# KiCad board 75%.kicad_pcb (continued)
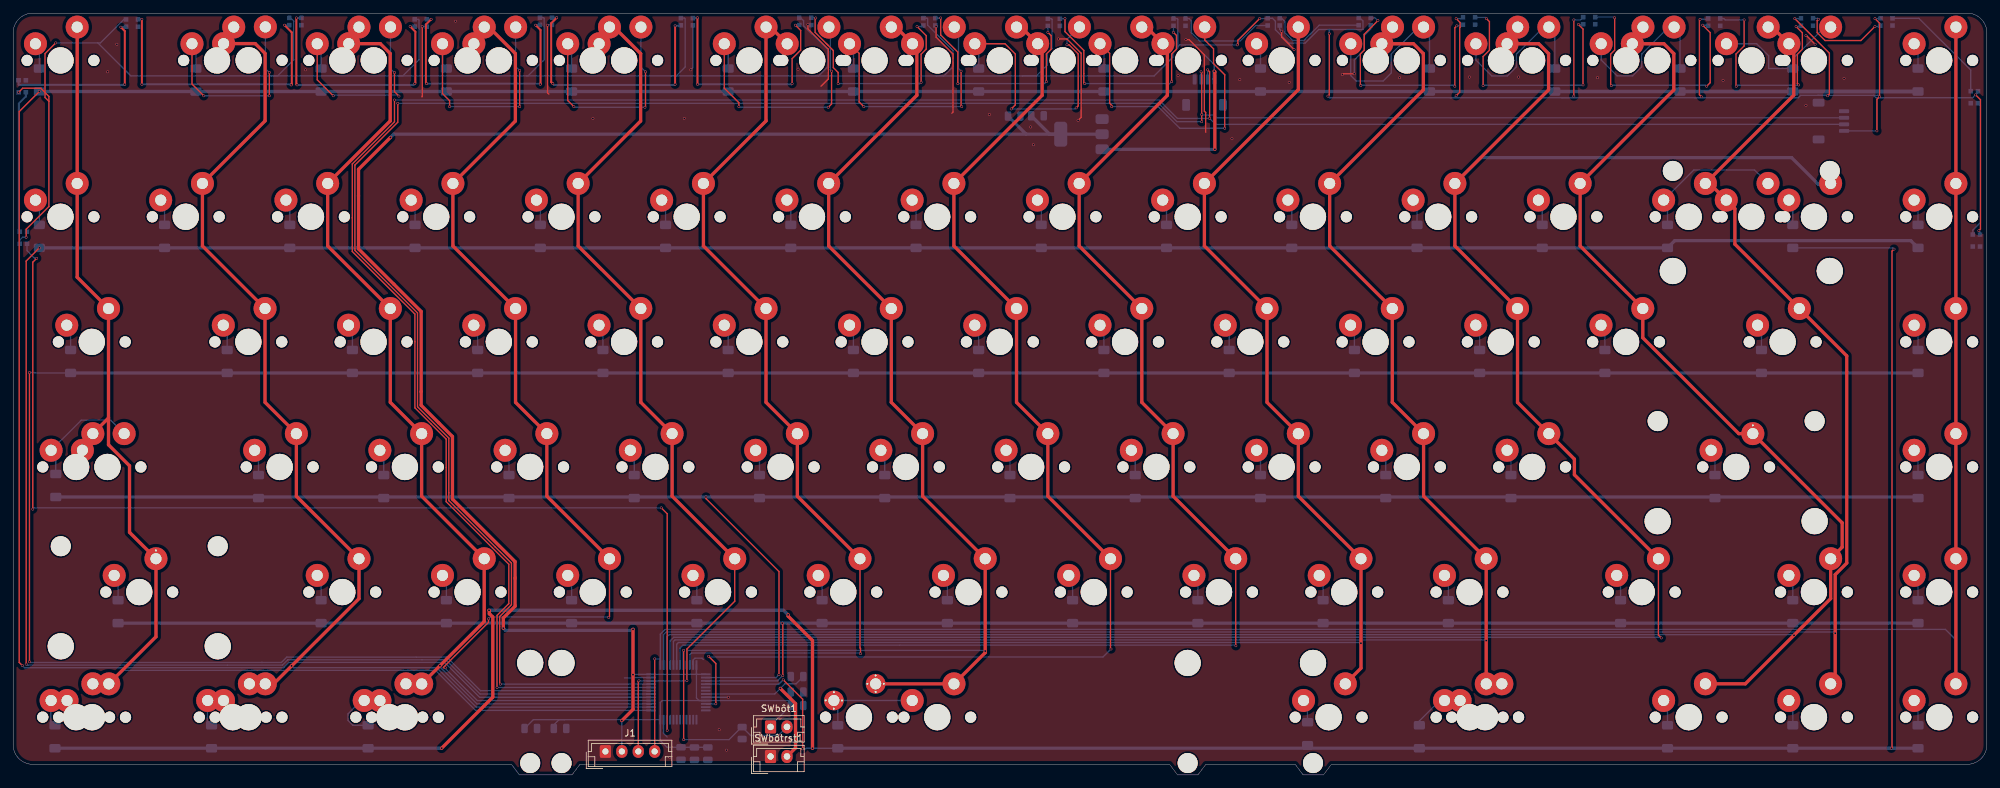
[diagram p0: board, top side]
## Nets (continued)
Net-(D68-A): D68.2 SW68.1
Net-(D69-A): D69.2 SW69.1
Net-(D70-A): D70.2 SW70.1
Net-(D71-A): D71.2 SW71.1
Net-(D72-A): D72.2 SW72.1
Net-(D73-A): D73.2 SW73.1
Net-(D75-A): D75.2 SW75.1
Net-(D76-A): D76.2 SW76.1 SW96.1
Net-(D77-A): D77.2 SW77.1 SW97.1
Net-(D78-A): D78.2 SW78.1 SW98.1
Net-(D82-A): D82.2 SW82.1 SW99.1
Net-(D85-A): D85.2 SW85.1
Net-(D86-A): D86.2 SW86.1 SW101.1
Net-(D87-A): D87.2 SW87.1
Net-(D88-A): D88.2 SW88.1
Net-(D89-A): D89.2 SW89.1
Net-(D90-A): D90.2 SW90.1
Net-(Drgb1-DIN): Drgb1.3 rgb6.1
Net-(Drgb1-DOUT): Drgb1.1 Drgb2.3
Net-(Drgb2-DOUT): Drgb2.1 Drgb3.3
Net-(Drgb3-DOUT): Drgb3.1 Drgb4.3
Net-(Drgb4-DOUT): Drgb4.1 Drgb5.3
Net-(Drgb5-DOUT): Drgb5.1 Drgb6.3
Net-(Drgb6-DOUT): Drgb6.1 Drgb7.3
Net-(Drgb7-DOUT): Drgb7.1 Drgb8.3
Net-(Drgb8-DOUT): Drgb8.1 Drgb9.3
Net-(Drgb10-DIN): Drgb9.1 Drgb10.3
Net-(Drgb10-DOUT): Drgb10.1 Drgb11.3
Net-(Drgb11-DOUT): Drgb11.1 Drgb12.3
Net-(Drgb12-DOUT): Drgb12.1 Drgb13.3
Net-(Drgb13-DOUT): Drgb13.1 Drgb14.3
Net-(rgb1-DOUT): rgb1.1 rgb2.3
Net-(rgb2-DOUT): rgb2.1 rgb3.3
Net-(rgb3-DOUT): rgb3.1 rgb4.3
Net-(rgb4-DOUT): rgb4.1 rgb5.3
Net-(rgb5-DOUT): rgb5.1 rgb6.3

Pads without a net: Drgb14 1; J5 MP; J7 MP; U3 5 6 11 12 13 14 15 16 17 18 19 20 21

## Via types
v1: diameter 0.4, hole 0.3, Top to Bottom, 194 vias

## Routing (per net, layer and track width the routed paths; a pad name or vN(x,y) marks a point on that pad's centre or on a via; arc(x,y) is an arc through that point)
+3.3V: length 327.6
  Top w0.5: v1(74.55,22.34) 74.55,23.89 76.34,25.68 76.34,32.47 66.82,42 66.82,51.52 62.05,56.28 62.05,70.57 52.53,80.1 52.53,92.22 v1(57.38,97.07) ; v1(94.28,22.17) v1(94.28,15.27) 94.28,9.97 v1(92.58,8.27)
  Bottom w0.2: J1.2 v1(92.58,8.27) 92.58,8.4 ; 103.98,15.32 U3.36 94.33,15.32 v1(94.28,15.27) ; 103.98,15.32 103.93,15.37 U3.48 103.93,11.72 104.33,11.32 U3.9 ; 103.98,15.32 U3.1 ; U3.24 98.43,11.02 98.73,11.32 U3.9 ; U3.24 98.43,5.22 99.44,4.2 C8.2 105.64,4.2 C6.2 ; U3.24 92.58,8.4 ; 118.28,11.37 118.23,11.32 U3.9 ; 118.28,11.37 C3.2 115.2,7.49 SWbôt1.1 ; 118.28,11.37 C2.2 ; 83.88,8.4 83.02,8.4 82.23,7.62 C5.2 ; 83.88,8.4 92.58,8.4 ; 83.88,8.4 79.12,8.4 C10.2
  Bottom w0.5: U7.2 154.08,97.57 ; U7.2 U7.2 ; U7.2 157.65,97.57 C4.2 ; 154.08,97.57 C9.2 ; 154.08,97.57 57.88,97.57 v1(57.38,97.07) ; v1(74.55,22.34) 74.89,22 94.12,22 v1(94.28,22.17)
+5V: length 594.5
  Top w0.2: v1(275.98,103.42) 276.25,103.69 276.25,109.9 v1(270.98,115.17) ; v1(237.38,103.37) v1(237.38,114.97) ; 5.44,102.57 5.44,103.31 4.19,104.57 1.45,104.57 v1(0.83,103.95) ; 5.44,102.57 5.44,86.55 1.98,83.09 v1(1.98,81.87) ; 5.44,102.57 4.85,103.16 4.85,109.84 v1(6.48,111.47) ; v1(283.18,115.17) 283.88,114.47 v1(283.88,103.27) 283.48,102.87 v1(283.48,98.07) ; v1(298.98,82.87) 299.23,83.12 299.23,102.82 v1(298.49,103.56) ; v1(219.48,103.42) 220.02,103.96 220.02,113.8 220.08,113.86 220.08,114.57 v1(219.48,115.17) ; v1(200.18,112.87) 200.18,103.57 v1(199.98,103.37) ; v1(186.18,111.17) 186.28,111.27 186.28,111.87 v1(189.58,115.17) ; v1(256.58,115.07) 256.48,114.97 256.48,103.57 v1(256.78,103.27)
  Top w0.5: v1(182.68,107.17) 182.78,107.07 v1(182.78,95.27)
  Bottom w0.2: 177.14,110.87 177.14,115.07 177.04,115.17 Drgb5.4 ; 177.14,110.87 177.43,111.16 179.48,111.16 ; 177.14,110.87 177.14,110.7 176.38,109.94 176.38,109.28 173.54,106.44 153.48,106.44 ; v1(256.58,115.07) 257.71,115.07 Drgb10.4 ; 121.48,106.44 140.38,106.44 ; 121.48,106.44 122.51,106.44 123.89,107.82 123.89,110.4 120.22,114.07 120.22,114.84 119.77,115.29 Drgb2.4 ; 121.48,106.44 120.57,106.44 120.56,106.45 100.08,106.45 ; 140.38,106.44 153.48,106.44 ; 140.38,106.44 141.56,106.44 142.95,107.83 142.95,110.31 139.09,114.17 139.09,115.13 138.99,115.23 Drgb3.4 ; 153.48,106.44 155.65,106.44 157.29,108.08 157.29,109.88 158.02,110.61 158.02,115.05 157.92,115.15 Drgb4.4 ; 39.28,106.45 40.23,106.45 42.66,108.89 42.66,114.82 42.21,115.27 rgb4.4 ; 39.28,106.45 58.58,106.45 ; 39.28,106.45 17.9,106.45 12.88,111.47 ; v1(199.98,103.37) 200.23,103.12 218.58,103.12 ; J7.1 v1(283.48,98.07) ; 12.88,111.47 13.27,111.47 16.85,115.04 rgb3.4 ; 12.88,111.47 v1(6.48,111.47) ; v1(219.48,103.42) 219.18,103.12 218.58,103.12 ; 58.58,106.45 59.27,106.45 61.73,108.91 61.73,114.95 61.63,115.05 rgb5.4 ; 58.58,106.45 78.08,106.45 ; Drgb13.4 298.85,103.92 v1(298.49,103.56) 298.05,103.12 283.35,103.12 282.98,103.48 ; v1(1.98,81.87) 1.43,81.87 1.01,81.45 rgb1.4 ; 274.48,103.48 275.92,103.48 v1(275.98,103.42) ; 274.48,103.48 271.88,103.48 271.52,103.12 255.78,103.12 ; 274.48,103.48 282.98,103.48 ; 200.18,113.51 198.57,113.51 196.49,111.43 194.03,111.43 191.99,113.47 191.99,114.77 191.54,115.22 Drgb6.4 190.76,115.17 v1(189.58,115.17) ; 200.18,113.51 205.3,113.51 205.3,114.81 204.85,115.26 Drgb7.4 ; 200.18,113.51 v1(200.18,112.87) ; 255.78,103.12 256.63,103.12 v1(256.78,103.27) ; 255.78,103.12 235.58,103.12 ; Drgb9.4 238.38,114.97 v1(237.38,114.97) ; 179.48,111.16 186.17,111.16 v1(186.18,111.17) ; 179.48,111.16 179.69,111.16 182.68,108.17 v1(182.68,107.17) ; v1(283.18,115.17) 283.98,115.17 Drgb12.4 ; Drgb8.4 220.35,115.17 v1(219.48,115.17) ; v1(298.98,82.87) 299.16,82.69 Drgb14.4 ; 282.98,103.48 283.67,103.48 v1(283.88,103.27) ; 100.08,106.45 100.86,106.45 102.21,107.8 102.21,115.14 102.11,115.24 Drgb1.4 ; 100.08,106.45 78.08,106.45 ; Drgb11.4 271.9,115.17 v1(270.98,115.17) ; 235.58,103.12 237.13,103.12 v1(237.38,103.37) ; 235.58,103.12 218.58,103.12 ; rgb6.4 80.66,115.32 80.77,115.21 80.77,108.91 78.32,106.45 78.08,106.45
  Bottom w0.5: J5.1 182.68,105.92 v1(182.68,107.17) ; U7.3 v1(182.78,95.27)
GND: length 115.9
  Top w0.2: 81.48,103.67 81.28,103.87 v1(81.28,114.17) ; v1(161.98,99.67) 162.44,100.13 162.44,109.89 160.27,112.07 v1(158.98,112.07) ; v1(194.83,110.47) 192.93,112.37 v1(192.93,113.24) ; v1(178.38,111.97) 178.87,111.97 181.18,109.65 181.18,101.07 181.38,100.87 181.38,97.87 ; 122.88,104.87 123.98,105.97 123.98,110.5 120.88,113.6 v1(120.88,114.27) ; v1(272.68,112.57) 272.78,112.57 v1(274.08,111.27) ; v1(203.98,106.77) 202.28,106.77 v1(202.18,106.67) ; 62.18,103.27 62.23,103.32 v1(62.23,113.97) ; v1(140.38,113.97) 140.38,112.34 142.95,109.77 142.95,100.94 142.78,100.77
  Bottom w0.2: Drgb2.2 120.96,114.19 v1(120.88,114.27) ; v1(62.23,113.97) 62.25,113.95 rgb5.2 ; v1(203.98,106.77) 203.98,108.84 205.5,110.36 205.5,112.62 206.48,113.61 Drgb7.2 ; Drgb1.2 103.39,107.68 v1(103.08,107.37) ; U3.35 94.54,14.82 94.49,14.77 92.98,14.77 ; Drgb6.2 192.64,113.53 v1(192.93,113.24) ; rgb6.2 81.33,114.22 v1(81.28,114.17) ; U3.8 v1(108.78,11.82) ; U3.47 103.43,17.5 103.7,17.77 104.78,17.77 104.98,17.57 ; Drgb3.2 140.27,114.07 v1(140.38,113.97) ; 99.48,5.77 98.93,6.32 U3.23
  vias: v1(14.38,107.07) v1(15.78,111.27) v1(44.48,107.37) v1(67.28,114.77) v1(88.18,99.97) v1(99.88,2.67) v1(102.08,99.97) v1(107.38,6.87) v1(108.48,3.77) v1(119.38,107.47) v1(148.48,100.57) v1(154.78,98.67) v1(155.18,95.97) v1(177.18,106.47) v1(185.38,96.87) v1(186.58,105.87) v1(194.08,105.47) v1(210.88,106.17) v1(221.48,106.27) v1(228.98,106.27) v1(240.98,106.17) v1(260.08,105.77) v1(272.68,101.97) v1(278.48,106.07)
boot: length 33.4
  Top w0.2: v1(101.98,18.97) v1(101.98,5.37)
  Bottom w0.2: U3.44 101.93,18.92 v1(101.98,18.97) ; v1(101.98,5.37) 108.88,5.37 110.79,7.28 R1.1 112.16,6 116.4,6 SWbôt1.2
C0: length 200.4
  Top w0.5: 14.5,54.35 SW100.2 12.12,51.01 SW46.1 ; 14.5,54.35 14.5,50.26 17.7,47.07 17.7,36.94 SW61.2 21.72,21.03 SW96.2 ; 14.5,54.35 SW31.2 9.74,75.78 SW16.2 SW1.2
  Bottom w0.2: U3.25 70.33,9.82 64.23,15.92 16.61,15.92 SW96.2
C1: length 183.8
  Top w0.5: SW2.2 33.55,112.9 SW59.1 36.82,111.36 38.32,109.86 38.32,99.6 SW17.2 28.79,80.54 SW32.2 38.31,56.73 SW47.2 43.08,42.44 SW62.2 52.6,26.84 v1(42.35,16.59) 39.63,13.86 SW97.2
  Bottom w0.2: U3.26 70.43,10.32 64.43,16.32 42.63,16.32 v1(42.35,16.59)
C2: length 160.9
  Top w0.5: SW78.2 59.76,13.85 SW98.2 v1(64.92,16.63) 71.65,23.36 SW63.2 62.13,42.44 SW48.2 57.36,56.73 SW33.2 47.84,80.54 SW18.2 57.35,99.58 57.35,109.85 55.85,111.35 SW74.1 52.6,112.91 SW3.2
  Bottom w0.2: U3.27 70.53,10.82 64.92,16.43 v1(64.92,16.63)
C3: length 171.8
  Top w0.2: SW64.2 90.7,24.09 v1(90.58,23.97) ; v1(65.73,16.32) 65.48,16.32 65.43,16.37 72.3,23.23 v1(72.3,23.77)
  Top w0.5: SW64.2 81.18,42.44 SW49.2 76.41,56.73 SW34.2 66.89,80.54 SW19.2 76.39,99.57 76.39,109.84 72.35,113.88 SW4.2 71.65,112.91 SW79.1
  Bottom w0.2: v1(65.73,16.32) 65.73,16.18 70.6,11.32 U3.28 ; v1(90.58,23.97) 90.49,24.05 72.59,24.05 v1(72.3,23.77)
C4: length 140
  Top w0.2: v1(102.48,14.37) 102.48,19.17 109.75,26.44 SW65.2 ; J1.3 95.08,14.22 v1(95.18,14.32)
  Top w0.5: SW65.2 100.23,42.44 SW50.2 95.46,56.73 SW35.2 85.94,80.54 SW20.2 95.44,99.57 95.44,109.84 91.4,113.88 SW5.2 90.7,112.91 SW80.1
  Bottom w0.2: v1(102.48,14.37) 102.43,14.32 U3.34 v1(95.18,14.32)
C5: length 141.2
  Top w0.2: SW66.2 128.8,19.34 128.88,19.27 v1(128.88,18.45)
  Top w0.5: SW66.2 119.28,42.44 SW51.2 114.51,56.73 SW36.2 104.99,80.54 SW21.2 114.51,99.59 SW6.2 115.18,113.88 SW81.1
  Bottom w0.2: v1(128.88,18.45) 128.78,18.55 103.18,18.55 102.93,18.3 U3.46
C6: length 178.9
  Top w0.5: SW7.2 134.25,113.88 SW83.1 137.45,110.67 137.45,103.48 SW22.2 124.04,80.54 SW37.2 133.56,56.73 SW52.2 138.33,42.44 SW67.2 147.85,18.62 SW99.2 131.19,13.86 SW82.2
  Bottom w0.2: v1(147.85,18.85) 147.75,18.95 102.68,18.95 102.43,18.7 U3.45
C7: length 183.2
  Top w0.2: v1(105.78,18.05) 106.88,16.95 v1(106.88,10.82) ; v1(166.98,19.17) 166.9,19.24 SW68.2
  Top w0.5: SW68.2 157.38,42.44 SW53.2 152.61,56.73 SW38.2 143.09,80.54 SW23.2 156.5,103.48 156.5,110.67 SW84.1 153.3,113.88 SW8.2
  Bottom w0.2: U3.10 v1(106.88,10.82) ; v1(166.98,19.17) 165.77,17.95 105.88,17.95 v1(105.78,18.05)
C8: length 199
  Top w0.2: SW69.2 185.95,19.68 v1(185.98,19.65)
  Top w0.5: SW69.2 176.43,42.44 SW54.2 171.66,56.73 SW39.2 162.14,80.54 SW24.2 175.55,103.48 175.55,110.68 SW91.1 172.36,113.88 SW9.2
  Bottom w0.2: v1(185.98,19.65) 185.88,19.75 101.88,19.75 101.43,19.3 U3.43
C9: length 224.2
  Top w0.5: SW85.2 205,16.25 SW70.2 195.48,42.44 SW55.2 190.71,56.73 SW40.2 181.19,80.54 SW25.2 195.48,104.36 SW10.2
  Bottom w0.2: U3.42 100.93,19.9 101.18,20.15 204.9,20.15 v1(205,20.05)
C10: length 251.6
  Top w0.5: SW92.2 209.8,112.96 SW11.1 212.98,111.34 214.49,109.84 214.49,104.31 SW26.2 200.24,80.54 SW41.2 209.76,56.73 SW56.2 214.53,42.44 SW71.2 224.05,13.87 SW101.2 224.07,13.87 SW86.2
  Bottom w0.2: U3.41 100.43,20.32 100.67,20.55 223.95,20.55 v1(224.05,20.45)
C11: length 333.2
  Top w0.2: v1(250.68,20.85) 250.25,21.29 SW72.2
  Top w0.5: SW72.2 237.47,45.7 237.47,48.08 SW57.2 228.81,56.73 SW42.2 219.29,80.54 SW27.2 233.54,104.31 233.54,109.84 232.03,111.34 SW12.1 228.84,112.95 SW93.2
  Bottom w0.2: U3.40 99.93,20.4 100.48,20.95 250.58,20.95 v1(250.68,20.85)
  Bottom w0.5: SW27.2 223.22,94 270.5,94 274.55,89.95 276.44,89.95
C12: length 317.8
  Top w0.5: SW94.2 247.89,112.95 SW13.1 251.08,111.34 252.59,109.84 252.59,104.31 SW28.2 238.34,80.54 SW43.2 247.87,66.57 262.47,51.97 SW58.2 278.19,38.39 278.19,34.67 SW73.2 276.44,26.84 263.47,13.87 SW88.2
  Bottom w0.2: v1(270.87,21.25) 270.77,21.35 99.78,21.35 99.43,21 U3.39
C13: length 300.9
  Top w0.5: SW95.2 267.55,113.88 SW14.1 270.83,110.6 270.83,103.51 SW29.2 258.02,90.07 SW1001.1 261.88,86.22 261.88,80.82 SW44.2 278.89,63.81 278.89,32.26 277.14,30.51 v1(277.14,21.57) 277.14,14.57 SW89.2
  Bottom w0.2: v1(277.14,21.57) 276.95,21.75 99.33,21.75 98.93,21.35 U3.38
C14: length 324.4
  Top w0.2: J1.4 v1(97.58,17.67)
  Top w0.5: SW90.2 SW75.2 SW60.2 SW45.2 SW30.2 SW15.2
  Bottom w0.2: SW90.2 295.49,20.56 293.89,22.15 99.17,22.15 98.43,21.42 98.43,17.67 ; U3.37 98.43,17.67 ; 98.43,17.67 v1(97.58,17.67)
D+: length 354.9
  Top w0.2: v1(74.1,13.82) 74.1,13.84 74,13.94 74,24.12 75.79,25.91 75.79,32.24 66.27,41.77 66.27,51.29 61.5,56.05 61.5,70.34 51.98,79.87 51.98,92.86 58.5,99.38 v1(58.5,102.27) ; v1(180.78,99.47) v1(180.78,100.57) 180.78,106.97 v1(180.68,107.07)
  Bottom w0.2: v1(180.78,99.47) 177.02,99.47 174.22,102.27 v1(58.5,102.27) ; U3.33 v1(74.1,13.82) ; v1(180.78,100.57) 180.88,100.47 182.68,100.47 183.08,100.07 J7.3 ; v1(180.68,107.07) 180.68,105.92 J5.3
D-: length 357.1
  Top w0.2: v1(181.68,107.37) 181.98,107.07 v1(181.98,99.97) ; v1(73.6,13.32) 73.6,24.29 75.39,26.08 75.39,32.08 65.87,41.6 65.87,51.13 61.1,55.89 61.1,70.18 51.58,79.7 51.58,93.03 58,99.45 v1(58,102.77)
  Bottom w0.2: J7.2 182.88,99.07 v1(181.98,99.97) 177.08,99.97 174.28,102.77 v1(58,102.77) ; U3.32 v1(73.6,13.32) ; v1(181.68,107.37) 181.68,105.92 J5.2
R0: length 583.4
  Top w0.2: v1(3.98,104.07) 0.92,101.01 0.92,17.13 v1(1.38,16.67)
  Bottom w0.2: U3.29 70.95,11.82 65.63,17.13 41.94,17.13 41.13,16.32 1.73,16.32 v1(1.38,16.67)
  Bottom w0.5: D15.1 D13.1 ; D15.1 D11.1 D10.1 D9.1 v1(3.98,104.07) ; D15.1 D14.1 ; D15.1 D12.1
R1: length 448.5
  Top w0.2: v1(3.98,80.25) 1.98,78.25 v1(1.98,16.87)
  Bottom w0.2: v1(1.98,16.87) 2.13,16.72 40.97,16.72 41.78,17.53 65.8,17.53 71.01,12.32 U3.30
  Bottom w0.5: D30.1 288.63,81.35 252.73,81.35 D29.1 v1(3.98,80.25)
R2: length 428.6
  Top w0.2: v1(2.48,17.22) v1(2.48,61.27)
  Bottom w0.2: D31.1 3.34,61.2 3.28,61.27 v1(2.48,61.27) ; v1(2.48,17.22) 2.58,17.12 37.88,17.12 37.78,17.12 40.8,17.12 41.61,17.93 65.96,17.93 71.08,12.82 U3.31
  Bottom w0.5: D45.1 D31.1
R3: length 326.3
  Top w0.2: v1(116.48,15.27) 116.48,30.97 105.38,42.07 v1(105.38,42.32)
  Bottom w0.2: U3.2 116.03,14.82 v1(116.48,15.27)
  Bottom w0.5: D60.1 289.57,42.32 v1(105.38,42.32) D46.1
R4: length 293.8
  Top w0.2: v1(116.98,23.1) 117.06,23.02 v1(117.06,15.12)
  Bottom w0.2: U3.3 116.26,14.32 v1(117.06,15.12)
  Bottom w0.5: D75.1 v1(116.98,23.1) D61.1
R5: length 436.1
  Top w0.2: v1(117.13,14.48) 120.08,11.53 v1(120.08,3.97) ; v1(286.08,80.07) 285.78,79.77 285.78,4.15 v1(285.68,4.05)
  Top w0.5: v1(121.58,4.05) 121.58,20.47 117.88,24.17 v1(117.88,24.37) ; v1(65.18,4.07) 72.95,11.84 72.95,24.04 72.46,24.53 72.43,24.53 72.43,25.02 v1(72.38,25.07)
  Bottom w0.2: D87.1 285.89,80.25 v1(286.08,80.07) ; v1(120.08,3.97) 120.58,3.97 120.67,4.05 v1(121.58,4.05) D82.1 ; U3.4 116.47,13.82 v1(117.13,14.48)
  Bottom w0.5: D76.1 D78.1 65.17,4.05 v1(65.18,4.07) ; v1(117.88,24.37) 117.18,25.07 v1(72.38,25.07) ; D90.1 v1(285.68,4.05) D82.1
RGB: length 173.1
  Top w0.2: v1(99.48,6.77) 99.48,39.77 v1(98.58,40.67) ; v1(2.98,40.47) 2.98,78.07 v1(3.58,78.67)
  Bottom w0.2: v1(98.58,40.67) 3.18,40.67 v1(2.98,40.47) ; U3.22 99.43,6.82 v1(99.48,6.77) ; rgb1.3 2.11,79.84 3.28,78.67 v1(3.58,78.67)
RST: length 27.8
  Top w0.5: SWbôtrst1.2 119,4.1 119,10.85 v1(116.68,13.17)
  Bottom w0.2: C1.1 119.08,13.87 117.38,13.87 v1(116.68,13.17) 115.83,12.32 U3.7
Net-(D1-A): length 4
  Bottom w0.2: D1.2 3.98,110.75 SW1.1
Net-(D2-A): length 33.4
  Top w0.2: v1(38.97,106.97) v1(38.97,103.42) ; v1(29,103.41) 27.2,105.2 SW2.1
  Bottom w0.2: v1(29,103.41) 29,103.42 v1(38.97,103.42) ; SW2.1 27.79,110.75 D2.2 ; v1(38.97,106.97) 38.36,107.58 SW59.2
Net-(D3-A): length 34.1
  Top w0.2: SW3.1 46.25,105.84 v1(48.68,103.42) ; v1(58,106.95) 58,104.05 v1(58.68,103.37)
  Bottom w0.2: v1(58.68,103.37) 58.53,103.52 48.78,103.52 v1(48.68,103.42) ; SW3.1 46.84,110.75 D3.2 ; v1(58,106.95) 57.39,107.56 SW74.2
Net-(D4-A): length 37.1
  Top w0.2: SW4.1 65.3,103.74 66.38,102.67 v1(66.38,101.77) ; v1(77.04,107.27) v1(77.04,101.77)
  Bottom w0.2: SW4.1 65.3,108.16 D4.2 ; v1(77.04,107.27) 76.43,107.88 SW79.2 ; v1(77.04,101.77) v1(66.38,101.77)
Net-(D5-A): length 37.4
  Top w0.2: v1(85.28,101.77) 84.35,102.7 SW5.1 ; v1(96.09,101.67) 96.18,101.76 v1(96.18,107.07)
  Bottom w0.2: v1(96.18,107.07) 95.48,107.77 SW80.2 ; v1(85.28,101.77) 85.38,101.67 v1(96.09,101.67) ; D5.2 84.94,110.75 SW5.1
Net-(D6-A): length 40.7
  Top w0.2: v1(110.38,101.77) 110.38,102.37 108.16,104.58 SW6.1 ; v1(123.98,101.67) 124.48,102.17 v1(124.48,107.17)
  Bottom w0.2: SW81.2 124.29,113.66 124.29,107.36 v1(124.48,107.17) ; SW6.1 108.76,110.75 D6.2 ; v1(110.38,101.77) 110.48,101.67 v1(123.98,101.67)
Net-(D7-A): length 42
  Top w0.2: v1(129.38,101.77) 128.67,102.47 128.67,109.88 SW7.1 ; v1(144.28,101.77) 144.18,101.87 v1(144.18,107.17)
  Bottom w0.2: SW7.1 127.82,110.73 127.82,107.58 D7.2 ; v1(144.18,107.17) 143.79,107.55 143.79,113.23 SW83.2 ; v1(144.28,101.77) v1(129.38,101.77)
Net-(D8-A): length 43.5
  Top w0.2: v1(151.8,101.41) 152.42,102.03 152.42,109.77 150.86,111.34 SW8.1 ; v1(160.28,111.17) 160.6,111.17 161.99,109.78 161.99,101.88 v1(161.68,101.57)
  Bottom w0.2: v1(151.8,101.41) 161.52,101.41 v1(161.68,101.57) ; v1(160.28,111.17) 160.28,111.99 SW84.2 ; D8.2 146.88,107.59 146.88,110.73 SW8.1
Net-(D9-A): length 49.6
  Top w0.2: v1(184.28,98.47) 184.28,106.61 182.58,108.31 182.58,110.57 181.24,111.91 SW91.2 ; SW9.1 166.77,109.88 166.77,102.27 167.08,101.97 v1(167.08,101.77)
  Bottom w0.2: v1(184.28,98.47) 177.45,98.47 174.15,101.77 v1(167.08,101.77) ; SW9.1 165.92,110.73 165.92,107.58 D9.2
Net-(D10-A): length 4
  Bottom w0.2: D10.2 189.72,110.75 SW10.1
Net-(D11-A): length 28
  Bottom w0.2: D11.2 215.43,112.98 SW11.2 213.74,113.88 209.61,109.75 209.61,106.9 208.38,105.67 204.28,105.67 203.45,106.5 SW92.1
Net-(D12-A): length 25.5
  Bottom w0.2: D12.2 234.48,112.98 SW12.2 232.77,113.88 228.65,109.76 228.65,107.82 227.27,106.44 224.91,106.44 222.49,108.86 SW93.1
Net-(D13-A): length 25.5
  Bottom w0.2: D13.2 253.53,112.98 SW13.2 251.81,113.88 247.7,109.77 247.7,107.83 246.32,106.45 243.96,106.45 241.54,108.87 SW94.1
Net-(D14-A): length 22
  Bottom w0.2: SW14.2 275.53,113.88 270.68,109.03 D14.2 267.01,107.57 267.01,109.51 265.18,111.34 SW95.1
Net-(D15-A): length 4
  Bottom w0.2: SW15.1 289.73,110.75 D15.2
Net-(D16-A): length 4
  Bottom w0.2: D16.2 3.98,86.94 SW16.1
Net-(D17-A): length 4
  Bottom w0.2: SW17.1 23.03,86.94 D17.2
Net-(D18-A): length 4
  Bottom w0.2: D18.2 42.08,86.94 SW18.1
Net-(D19-A): length 4
  Bottom w0.2: SW19.1 61.13,86.94 D19.2
Net-(D20-A): length 4
  Bottom w0.2: D20.2 80.18,86.94 SW20.1
Net-(D21-A): length 4
  Bottom w0.2: SW21.1 99.23,86.94 D21.2
Net-(D22-A): length 4
  Bottom w0.2: D22.2 118.28,86.94 SW22.1
Net-(D23-A): length 4
  Bottom w0.2: D23.2 137.33,86.94 SW23.1
Net-(D24-A): length 4
  Bottom w0.2: SW24.1 156.38,86.94 D24.2
Net-(D25-A): length 4
  Bottom w0.2: D25.2 175.43,86.94 SW25.1
Net-(D26-A): length 4
  Bottom w0.2: SW26.1 194.48,86.94 D26.2
Net-(D27-A): length 4
  Bottom w0.2: D27.2 213.53,86.94 SW27.1
Net-(D28-A): length 4
  Bottom w0.2: SW28.1 232.58,86.94 D28.2
Net-(D29-A): length 22.6
  Bottom w0.2: D29.2 251.63,86.94 SW29.1 255.63,92.12 264.87,92.12 SW1001.2
Net-(D30-A): length 4
  Bottom w0.2: D30.2 289.73,86.94 SW30.1
Net-(D31-A): length 4
  Bottom w0.2: SW31.1 8.74,67.89 D31.2
Net-(D32-A): length 4
  Bottom w0.2: D32.2 32.56,67.89 SW32.1
Net-(D33-A): length 4
  Bottom w0.2: D33.2 51.61,67.89 SW33.1
Net-(D34-A): length 4
  Bottom w0.2: D34.2 70.66,67.89 SW34.1
Net-(D35-A): length 4
  Bottom w0.2: D35.2 89.71,67.89 SW35.1
Net-(D36-A): length 4
  Bottom w0.2: D36.2 108.76,67.89 SW36.1
Net-(D37-A): length 4
  Bottom w0.2: D37.2 127.81,67.89 SW37.1
Net-(D38-A): length 4
  Bottom w0.2: SW38.1 146.86,67.89 D38.2
Net-(D39-A): length 4
  Bottom w0.2: D39.2 165.91,67.89 SW39.1
Net-(D40-A): length 4
  Bottom w0.2: D40.2 184.96,67.89 SW40.1
Net-(D41-A): length 4
  Bottom w0.2: SW41.1 204.01,67.89 D41.2
Net-(D42-A): length 4
  Bottom w0.2: SW42.1 223.06,67.89 D42.2
Net-(D43-A): length 4
  Bottom w0.2: D43.2 242.11,67.89 SW43.1
Net-(D44-A): length 4
  Bottom w0.2: D44.2 265.92,67.89 SW44.1
Net-(D45-A): length 4
  Bottom w0.2: D45.2 289.73,67.89 SW45.1
Net-(D46-A): length 17.8
  Bottom w0.2: D46.2 6.48,48.72 SW100.1 10.36,54.02 14.83,54.02 SW46.2
Net-(D47-A): length 4
  Bottom w0.2: SW47.1 37.32,48.84 D47.2
Net-(D48-A): length 4
  Bottom w0.2: SW48.1 56.37,48.84 D48.2
Net-(D49-A): length 4
  Bottom w0.2: SW49.1 75.42,48.84 D49.2
Net-(D50-A): length 4
  Bottom w0.2: SW50.1 94.47,48.84 D50.2
Net-(D51-A): length 4
  Bottom w0.2: SW51.1 113.52,48.84 D51.2
Net-(D52-A): length 4
  Bottom w0.2: D52.2 132.57,48.84 SW52.1
Net-(D53-A): length 4
  Bottom w0.2: D53.2 151.62,48.84 SW53.1
Net-(D54-A): length 4
  Bottom w0.2: SW54.1 170.67,48.84 D54.2
Net-(D55-A): length 4
  Bottom w0.2: SW55.1 189.72,48.84 D55.2
Net-(D56-A): length 4
  Bottom w0.2: SW56.1 208.77,48.84 D56.2
Net-(D57-A): length 4
  Bottom w0.2: SW57.1 227.82,48.84 D57.2
Net-(D58-A): length 4
  Bottom w0.2: SW58.1 258.85,48.84 D58.2
Net-(D60-A): length 4
  Bottom w0.2: SW60.1 289.73,48.84 D60.2
Net-(D61-A): length 4
  Bottom w0.2: D61.2 15.96,29.79 SW61.1
Net-(D62-A): length 4
  Bottom w0.2: D62.2 46.84,29.79 SW62.1
Net-(D63-A): length 4
  Bottom w0.2: D63.2 65.89,29.79 SW63.1
Net-(D64-A): length 4
  Bottom w0.2: SW64.1 84.94,29.79 D64.2
Net-(D65-A): length 4
  Bottom w0.2: SW65.1 103.99,29.79 D65.2
Net-(D66-A): length 4
  Bottom w0.2: SW66.1 123.04,29.79 D66.2
Net-(D67-A): length 4
  Bottom w0.2: D67.2 142.09,29.79 SW67.1
Net-(D68-A): length 4
  Bottom w0.2: SW68.1 161.14,29.79 D68.2
Net-(D69-A): length 4
  Bottom w0.2: D69.2 180.19,29.79 SW69.1
Net-(D70-A): length 4
  Bottom w0.2: D70.2 199.24,29.79 SW70.1
Net-(D71-A): length 4
  Bottom w0.2: SW71.1 218.29,29.79 D71.2
Net-(D72-A): length 4
  Bottom w0.2: SW72.1 244.49,29.79 D72.2
Net-(D73-A): length 4
  Bottom w0.2: SW73.1 270.68,29.79 D73.2
Net-(D75-A): length 4
  Bottom w0.2: SW75.1 289.73,29.79 D75.2
Net-(D76-A): length 4.1
  Bottom w0.2: SW76.1 5.73,11.29 5.73,8.19 D76.2
Net-(D77-A): length 4.1
  Bottom w0.2: D77.2 29.53,8.2 29.53,11.27 SW77.1
Net-(D78-A): length 7.7
  Bottom w0.2: SW78.1 52.97,11.33 50.93,9.28 50.93,8.29 51.66,7.55 D78.2
Net-(D82-A): length 15.9
  Bottom w0.2: SW99.1 136.75,11.33 SW82.1 125.42,10.74 D82.2
Net-(D85-A): length 4
  Bottom w0.2: SW85.1 196.86,10.74 196.86,7.55
Net-(D86-A): length 8.1
  Top w0.2: SW86.1 220.08,11.32 SW101.1
  Bottom w0.2: SW101.1 217,11.32 213.88,8.2 D86.2
Net-(D87-A): length 4
  Bottom w0.2: SW87.1 270.68,86.94 D87.2
Net-(D88-A): length 4
  Bottom w0.2: D88.2 251.63,10.74 SW88.1
Net-(D89-A): length 4
  Bottom w0.2: D89.2 270.68,10.74 SW89.1
Net-(D90-A): length 4
  Bottom w0.2: SW90.1 289.73,10.74 D90.2
Net-(Drgb1-DIN): length 39.8
  Top w0.3: v1(82.68,115.3) 81.83,114.45 81.83,105.52 v1(82.08,105.27) ; v1(100.68,105.17) v1(100.68,114.07)
  Bottom w0.3: v1(82.68,115.3) 82.66,115.32 rgb6.1 ; Drgb1.3 101.49,114.07 v1(100.68,114.07) ; v1(100.68,105.17) 100.58,105.07 82.28,105.07 v1(82.08,105.27)
Net-(Drgb1-DOUT): length 35.7
  Top w0.2: v1(118.98,114.17) 119.78,113.37 119.78,110.37 118.48,109.07 v1(118.48,105.27)
  Top w0.3: v1(104.08,115.3) v1(104.08,105.17)
  Bottom w0.2: Drgb2.3 119,114.19 v1(118.98,114.17)
  Bottom w0.3: v1(104.08,105.17) 118.38,105.17 v1(118.48,105.27) ; Drgb1.1 104.02,115.24 v1(104.08,115.3)
Net-(Drgb2-DOUT): length 35.7
  Top w0.2: 123.68,111.37 124.74,110.31 124.74,107.7 125.48,106.97 v1(125.48,105.27) ; 123.68,111.37 123.98,111.07 ; 123.68,111.37 121.98,113.07 121.98,115.17 v1(122.08,115.27) ; v1(138.1,105.47) 138.1,109.76 138.88,110.53 138.88,112.57 v1(137.48,113.97)
  Bottom w0.2: v1(137.48,113.97) 138.28,113.97 Drgb3.3 ; v1(122.08,115.27) 122.06,115.29 Drgb2.1 ; v1(125.48,105.27) 137.9,105.27 v1(138.1,105.47)
Net-(Drgb3-DOUT): length 34.5
  Top w0.2: v1(157.38,113.07) 157.88,112.57 157.88,110.5 157.15,109.78 v1(157.15,105.57) ; v1(141.08,115.27) 141.08,112.67 143.68,110.07 v1(143.68,105.27)
  Bottom w0.2: v1(141.08,115.27) 141.04,115.23 Drgb3.1 ; v1(157.15,105.57) 156.85,105.27 v1(143.68,105.27) ; v1(157.38,113.07) 157.38,114.04 Drgb4.3
Net-(Drgb4-DOUT): length 34.3
  Top w0.2: v1(162.98,105.27) 162.84,105.4 162.84,110.33 159.98,113.19 v1(159.98,115.17) ; v1(176.48,113.07) 176.94,112.61 176.94,110.5 176.2,109.77 v1(176.2,105.57)
  Bottom w0.2: v1(159.98,115.17) 159.96,115.15 Drgb4.1 ; Drgb5.3 176.48,114.06 v1(176.48,113.07) ; v1(162.98,105.27) 175.9,105.27 v1(176.2,105.57)
Net-(Drgb5-DOUT): length 15.9
  Bottom w0.2: Drgb5.1 178.87,115.17 179.19,114.85 179.19,113.04 180.46,111.77 186.65,111.77 189.01,114.12 Drgb6.3
Net-(Drgb6-DOUT): length 15.4
  Bottom w0.2: Drgb6.1 192.94,115.22 193.43,114.73 193.43,113.03 194.63,111.83 196.33,111.83 198.66,114.16 Drgb7.3
Net-(Drgb7-DOUT): length 37
  Top w0.2: v1(219.58,114.07) 219.28,113.77 v1(219.28,104.87) ; v1(207.58,114.87) 205.5,112.79 205.5,110.36 204.91,109.77 204.91,105.04 v1(204.98,104.97)
  Bottom w0.2: v1(219.28,104.87) 219.13,105.02 205.03,105.02 v1(204.98,104.97) ; Drgb7.1 207.19,115.26 v1(207.58,114.87) ; Drgb8.3 220.35,114.07 v1(219.58,114.07)
Net-(Drgb8-DOUT): length 38
  Top w0.2: v1(224.08,115.17) 224.54,114.71 224.54,110.35 223.58,109.39 v1(223.58,104.97) ; v1(238.08,114.27) 238.78,113.57 v1(238.78,105.07)
  Bottom w0.2: v1(238.08,114.27) 238.78,114.27 Drgb9.3 ; v1(224.08,115.17) 223.9,115.35 Drgb8.1 ; v1(223.58,104.97) 223.63,105.02 238.73,105.02 v1(238.78,105.07)
Net-(Drgb10-DIN): length 39.1
  Top w0.2: v1(256.98,114.17) 258.12,113.03 258.12,105.41 v1(257.58,104.87) ; v1(243.08,104.97) 242.98,105.07 242.98,109.75 243.59,110.36 243.59,115.29 v1(243.58,115.3)
  Bottom w0.2: Drgb10.3 257.72,114.17 v1(256.98,114.17) ; v1(257.58,104.87) 257.43,105.02 243.13,105.02 v1(243.08,104.97) ; v1(243.58,115.3) 243.49,115.39 Drgb9.1
Net-(Drgb10-DOUT): length 34.4
  Top w0.2: v1(271.58,105.07) 271.38,105.27 271.38,109.73 272.14,110.49 272.14,113.01 v1(271.18,113.97) ; v1(263.28,114.97) 263.28,111 262.05,109.77 262.05,104.9 v1(262.08,104.87)
  Bottom w0.2: v1(271.58,105.07) 271.53,105.02 262.23,105.02 v1(262.08,104.87) ; v1(271.18,113.97) 271.8,113.97 Drgb11.3 ; Drgb10.1 260.19,115.17 260.4,114.97 v1(263.28,114.97)
Net-(Drgb11-DOUT): length 14.1
  Top w0.2: v1(274.58,115.07) 274.39,114.88 274.39,113.03 275.59,111.83 281.04,111.83 v1(283.18,113.97)
  Bottom w0.2: v1(283.18,113.97) 283.88,113.97 Drgb12.3 ; v1(274.58,115.07) 274.45,115.2 Drgb11.1
Net-(Drgb12-DOUT): length 18.4
  Bottom w0.2: Drgb12.1 289.86,115.21 297.75,107.32 Drgb13.3
Net-(Drgb13-DOUT): length 20.6
  Bottom w0.2: Drgb13.1 299.23,101.9 299.23,84.12 298.06,82.95 Drgb14.3
Net-(rgb1-DOUT): length 21.7
  Bottom w0.3: rgb2.3 1.93,103.3 0.87,102.23 0.87,82.86 rgb1.1
Net-(rgb2-DOUT): length 26.6
  Top w0.3: v1(16.38,113.87) 16.98,113.27 v1(16.98,105.17)
  Bottom w0.3: rgb2.1 0.83,105.12 0.88,105.08 16.89,105.08 v1(16.98,105.17) ; rgb3.3 17.09,113.87 v1(16.38,113.87)
Net-(rgb3-DOUT): length 43.6
  Top w0.3: v1(19.58,115.07) v1(19.58,105.17) ; v1(42.28,105.07) 42.38,105.17 42.38,113.07 v1(41.28,114.17)
  Bottom w0.3: v1(19.58,105.17) 42.18,105.17 v1(42.28,105.07) ; v1(19.58,115.07) 19.55,115.04 rgb3.1 ; v1(41.28,114.17) 42.01,114.17 rgb4.3
Net-(rgb4-DOUT): length 38.8
  Top w0.3: v1(60.38,113.97) 61.18,113.17 61.18,105.37 v1(61.08,105.27) ; v1(43.18,105.07) 43.08,105.17 v1(43.08,115.27)
  Bottom w0.3: v1(60.38,113.97) 61.06,113.97 rgb5.3 ; v1(43.08,115.27) 43.08,115.27 rgb4.1 ; v1(43.18,105.07) 60.88,105.07 v1(61.08,105.27)
Net-(rgb5-DOUT): length 38.2
  Top w0.3: v1(62.88,105.27) 62.78,105.36 62.78,114.27 v1(63.58,115.07) ; v1(80.18,105.17) 80.22,105.21 80.22,113.43 v1(79.48,114.17)
  Bottom w0.3: v1(62.88,105.27) 80.08,105.27 v1(80.18,105.17) ; v1(63.58,115.07) 63.56,115.05 rgb5.1 ; rgb6.3 80.07,114.17 v1(79.48,114.17)

## Copper pours and planes (outline as drawn; the poured copper is in the pictures)
GND on Top, Bottom: 334.58,159.47 -20.02,162.47 -19.22,-26.03 345.58,-24.73

## Text on the board
B.Mask: MS_75 / 8k HZ highspeed
User.9: 0.1743944153925494
